# Altium PCB roach2.PcbDoc (part 39 of 39)
Units mil, origin at the board's own origin, x right, y up, seen from the top; angles counter-clockwise.
Board outline 12007.87 x 9606.3 mil, 16 copper layers (L1_TOP, L2_G, L3_S, L4_G, L5_S, L6_P, L7_G, L8_R, L9_R, L10_P, L11_P, L12_S, L13_P, L14_S, L15_G, L16_BOT), stack 81.651 mil thick; 1608 components, 1934 nets, 9335 pads, 6759 vias.
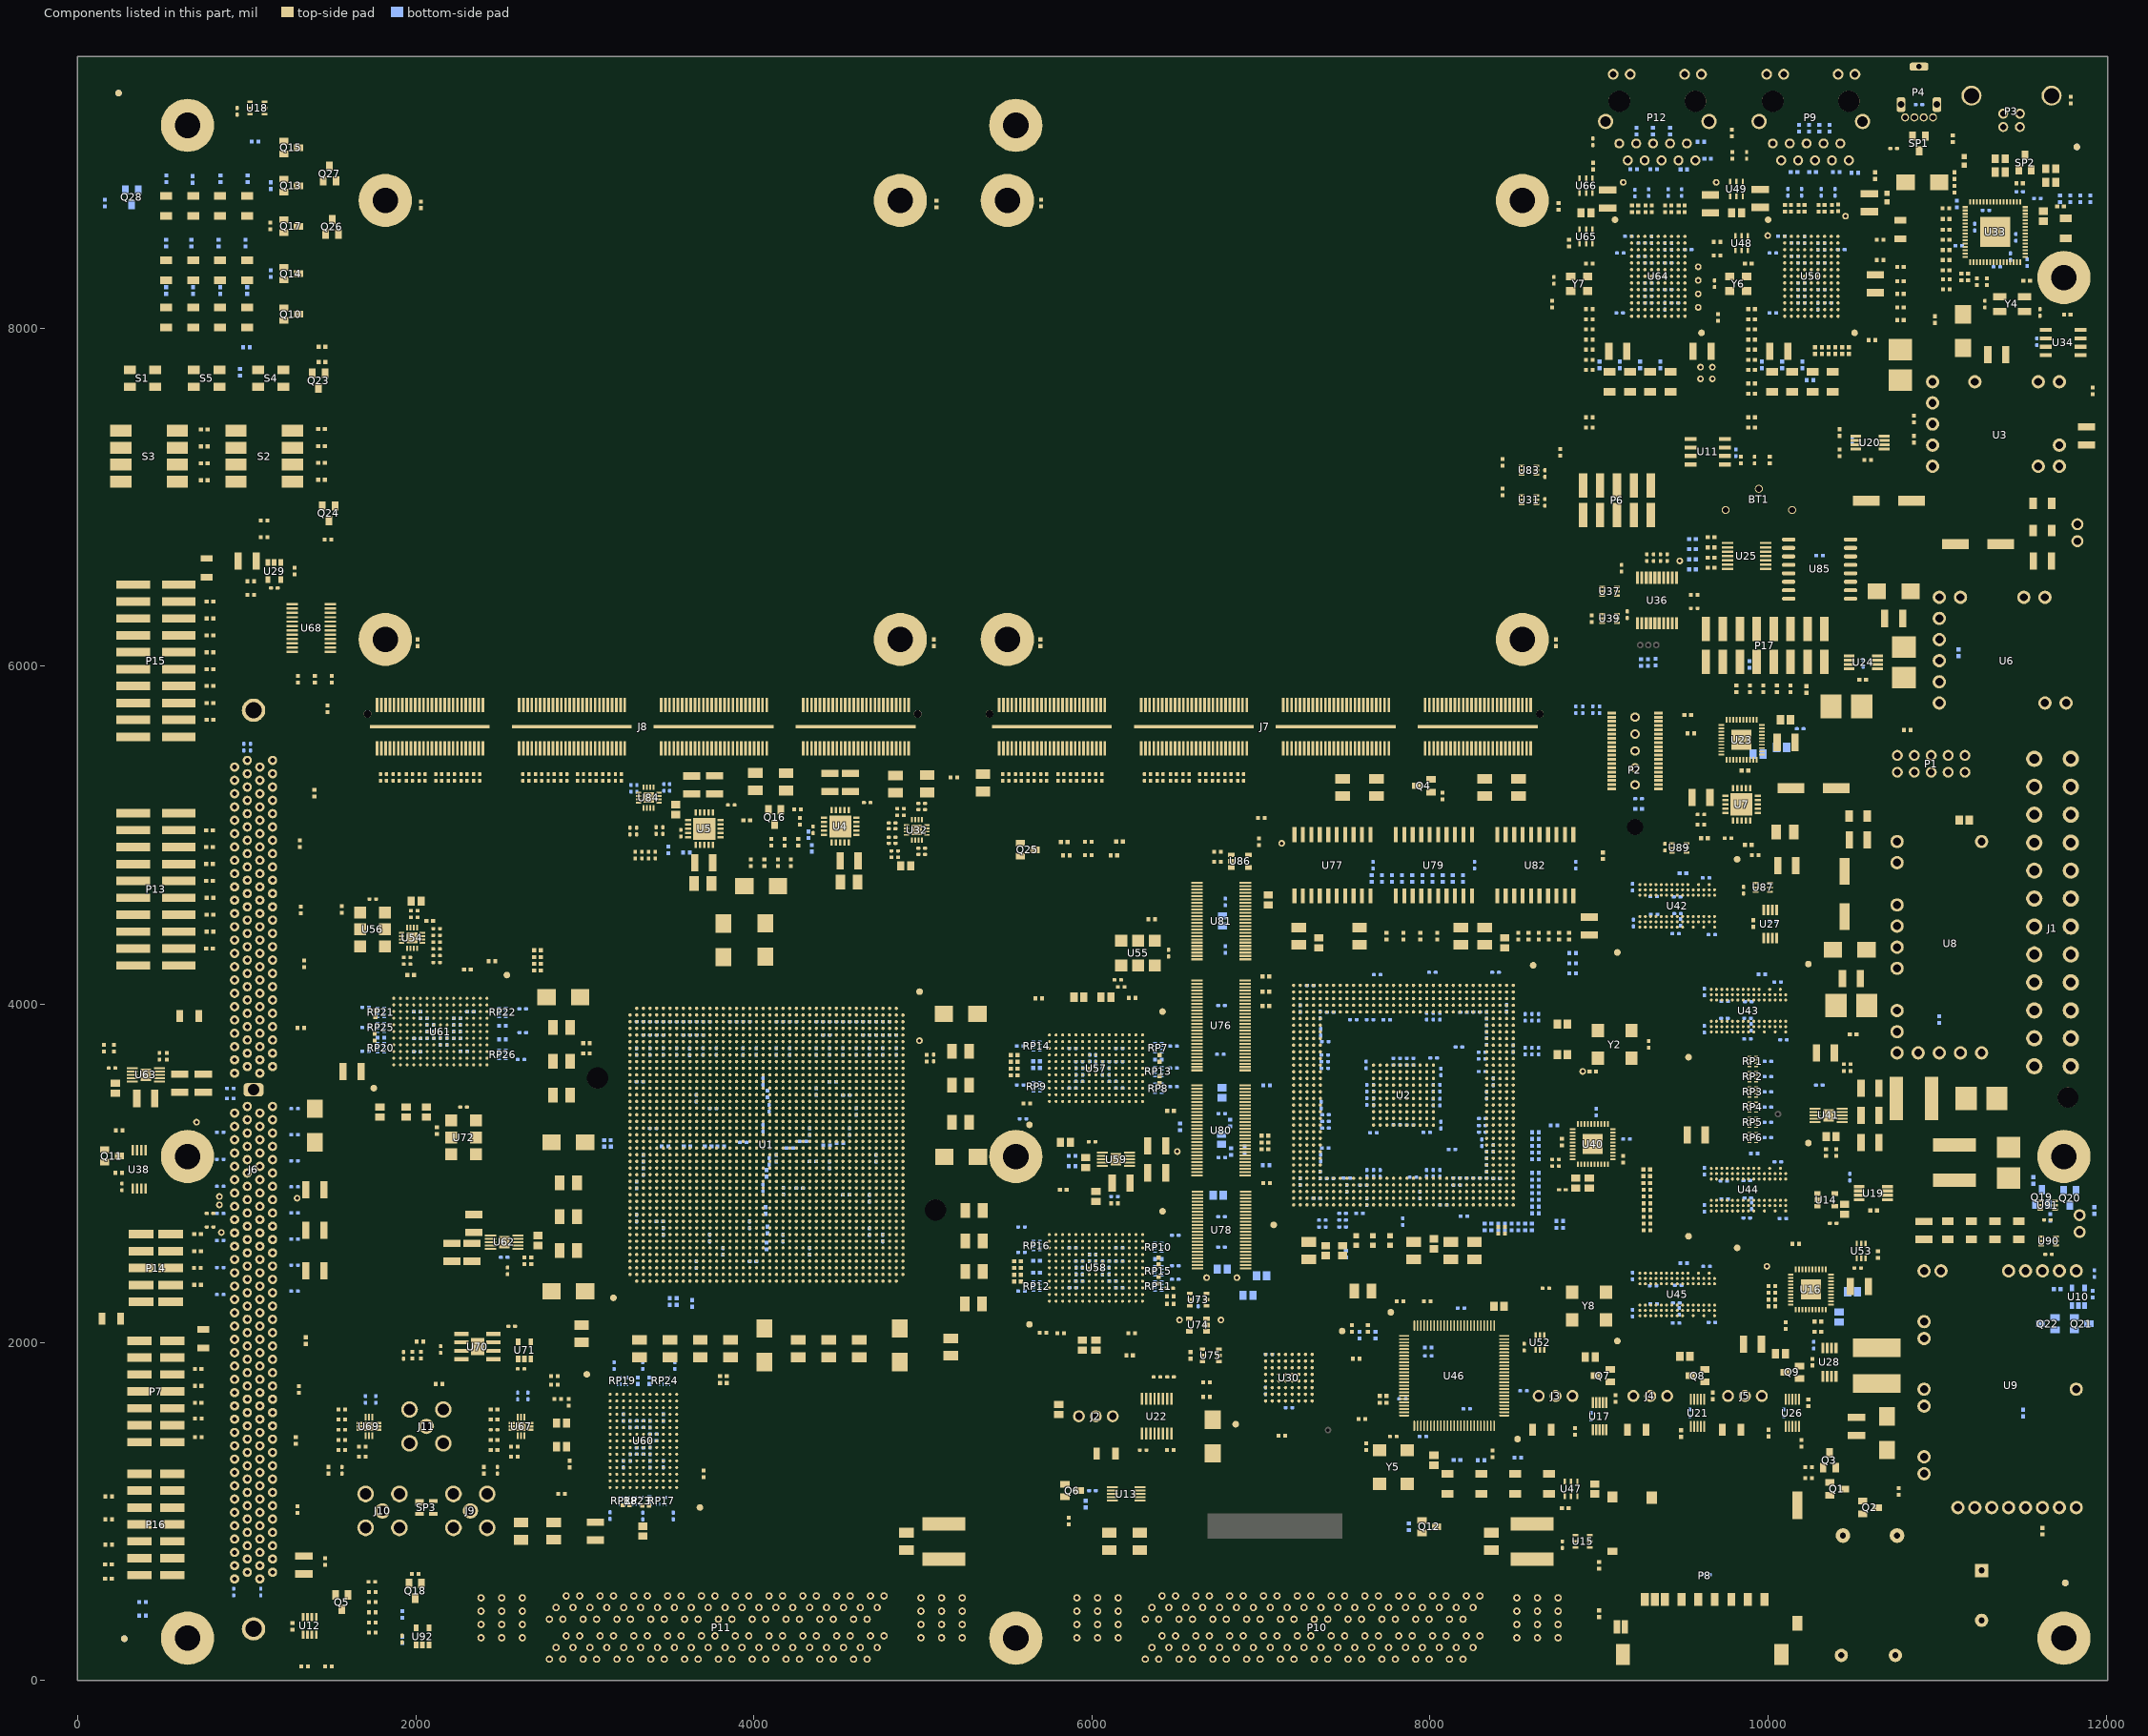
[diagram p53: the components of this part, seen from the top]

## Via types
v1: diameter 19.4, hole 10, L1_TOP to L16_BOT, tented both sides, 3354 vias
v2: diameter 19.4, hole 10, L1_TOP to L16_BOT, 1884 vias
v3: diameter 19.4, hole 10, L1_TOP to L16_BOT, tented top, 410 vias
v4: diameter 18.6, hole 10, L1_TOP to L16_BOT, tented both sides, 311 vias
v5: diameter 59.06, hole 39.37, L1_TOP to L16_BOT, 217 vias
v6: diameter 19, hole 10, L1_TOP to L16_BOT, 198 vias
v7: diameter 19.4, hole 10.04, L1_TOP to L16_BOT, 125 vias
v8: diameter 19.4, hole 10, L1_TOP to L16_BOT, tented bottom, 80 vias
v9: diameter 25.98, hole 12.99, L1_TOP to L16_BOT, tented top, 59 vias
v10: diameter 20, hole 10, L1_TOP to L16_BOT, 52 vias
v11: diameter 59.06, hole 39.37, L1_TOP to L16_BOT, tented top, 44 vias
v12: diameter 20, hole 10, L1_TOP to L16_BOT, tented top, 16 vias
v13: diameter 19, hole 10, L1_TOP to L16_BOT, tented top, 5 vias
v14: diameter 50, hole 28, L1_TOP to L16_BOT, 4 vias

## Nets (pads, with @x,y where several pads share a name; then routed paths per layer and width w, separated by ;. In a path a pad name is that pad's centre, name@x,y a point inside that pad or via, vN(x,y) a via of type N, cw(c..) or ccw(c..) an arc to the next point about the centre after c; other vN are vias at no path point) (continued)
pads on no net: FU1.1 FU1.2 FU2.1 FU2.2 FU3.1 FU3.2 FU4.1 FU4.2 H10.1 H11.1 J1.20 J1.25 J6.126 J6.135 J6.144 J6.153 J6.162 J6.167 J6.204 J6.213 J6.222 J6.231 J6.M0 J6.M1 J6.M2 J7.C23 J7.C24 J7.D18 J7.D19 J7.D20 J7.D21 J7.D22 J7.M1 J7.M2 J8.C23 J8.C24 J8.D18 J8.D19 J8.D20 J8.D21 J8.D22 J8.M1 J8.M2 P2.M0 P6.1 P9.15 P9.16 P12.15 P12.16 P16.7 P16.10 P17.2 P17.5 P17.8 P17.10 P17.12 P17.13 P17.14 P17.15 RP1.1 S1.3 S1.4 S4.3 S4.4 S5.3 S5.4 U1.A5 U1.A6 U1.A9 U1.A10 U1.AF7 U1.AF8 U1.AH24 U1.AJ25 U1.AK28 U1.AL20 U1.AL34 U1.AM26 U1.AM33 U1.AN28 U1.AN35 U1.AR34 U1.AR40 U1.AT15 U1.AT40 U1.AU9 U1.AU10 U1.AU16 U1.AU38 U1.AU42 U1.AW17 U1.AW32 U1.AW42 U1.B3 U1.B4 U1.B7 U1.B8 U1.BA30 U1.BB32 U1.C1 U1.C2 U1.C5 U1.C6 U1.D3 U1.D4 U1.FU1 U1.FU2 U1.M7 U1.M8 U1.T7 U1.T8 U1.V7 U1.V8 U2.A5 U2.A26 U2.A30 U2.A31 U2.AA31 U2.AA33 U2.AA34 U2.AB34 U2.AG1 U2.AH1 U2.AK32 U2.AL23 U2.AL26 U2.AM23 U2.AM24 U2.AM26 U2.AM29 U2.AM30 U2.AN26 U2.AP26 U2.AP30 U2.AP31 U2.B6 U2.B29 U2.C7 U2.C8 U2.C26 U2.C30 U2.D6 U2.D7 U2.D26 U2.D29 U2.D34 U2.E34 U2.F31 U2.F32 U2.F33 U2.F34 U2.FU1 U2.FU2 U2.G31 U2.G32 U2.G33 U2.G34 U2.H31 U2.H32 U2.H34 U2.J31 U2.J32 U2.J33 U2.K32 U2.K33 U2.L31 U2.L32 U2.L33 U2.L34 U2.M31 U2.M32 U2.M34 U2.N31 U2.N32 U2.N33 U2.N34 U2.P1 U2.P3 U2.P31 U2.P32 U2.P33 U2.P34 U2.R2 U2.R3 U2.R4 U2.R31 U2.R32 U2.R33 U2.R34 U2.T31 U2.Y31 U2.Y32 U2.Y33 U2.Y34 U3.0 U3.11 U4.2 U4.3 U4.4 U4.13 U4.14 U4.17 U5.2 U5.3 U5.4 U5.13 U5.14 U5.17 U6.0 U6.11 U7.2 U7.3 U7.4 U7.13 U7.14 U7.17 U8.0 U9.0 U9.2 U9.3 U9.5 U9.21 U10.3 U12.3 U15.1 U16.21 U16.22 U16.23 U16.24 U16.25 U16.26 U16.27 U16.28 U16.30 U16.38 U16.39 U21.5 U22.5 U22.6 U22.7 U22.8 U23.8 U23.18 U23.19 U23.20 U23.21 U23.22 U23.23 U23.24 U23.25 U23.26 U23.27 U23.28 U23.30 U23.37 U23.38 U23.39 U25.3 U25.8 U25.11 U30.A1 U30.A8 U30.C1 U30.D1 U30.E1 U30.FU1 U30.FU2 U30.G1 U30.H1 U30.H8 U31.3 U32.10 U32.11 U33.22 U33.23 U33.24 U33.36 U33.40 U33.41 U33.43 U33.44 U33.45 U33.46 U33.48 U33.52 U33.59 U33.65 U34.6 U34.7 U40.2 U40.3 U40.11 U40.12 U40.13 U40.14 U40.32 U40.33 U40.34 U40.35 U40.37 U40.38 U42.A2 U42.A8 U42.E2 U42.E8 U42.FU1 U42.FU2 U42.R3 U42.R7 U43.A2 U43.A8 U43.E2 U43.E8 U43.FU1 U43.FU2 U43.R3 U43.R7 U44.A2 U44.A8 U44.E2 U44.E8 U44.FU1 U44.FU2 U44.R3 U44.R7 U45.A2 U45.A8 U45.E2 U45.E8 U45.FU1 U45.FU2 U45.R3 U45.R7 U46.18 U46.19 U46.24 U46.27 U46.28 U46.29 U46.30 U46.33 U46.34 U46.44 U46.49 U46.55 U46.56 U46.60 U46.63 U46.76 U46.77 U46.79 U46.80 U46.82 U46.85 U46.86 U46.87 U46.89 U46.94 U46.FU1 U46.FU2 U50.A1 U50.A2 U50.A3 U50.A4 U50.A5 U50.A6 U50.A7 U50.A8 U50.B5 U50.B6 U50.C4 U50.C5 U50.D1 U50.D2 U50.F2 U50.FU1 U50.FU2 U50.G1 U50.H1 U50.H3 U50.J1 U50.J2 U50.J9 U50.K7 U50.M9 U54.10 U54.11 U55.2 U56.2 U57.C6 U57.FU1 U57.FU2 U58.C6 U58.FU1 U58.FU2 U60.C6 U60.FU1 U60.FU2 U61.C6 U61.FU1 U61.FU2 U64.A1 U64.A2 U64.A5 U64.A6 U64.B1 U64.B5 U64.B6 U64.C1 U64.C4 U64.C5 U64.D1 U64.D2 U64.E1 U64.E2 U64.F1 U64.F2 U64.FU1 U64.FU2 U64.G1 U64.G2 U64.G3 U64.H1 U64.H2 U64.H3 U64.J1 U64.J2 U64.J9 U64.K2 U64.K7 U64.L1 U64.M9 U70.1 U70.5 U70.8 U72.1 U72.2 U74.1 U80.21 U80.23 U80.24 U80.26 U80.27 U83.3 U84.10 U84.11 U85.3 U85.4 U85.5 U85.6 U85.7 U85.8 U85.9 U85.10 U85.11 U85.12 U85.15 U85.16 U87.3 U89.3 U90.3 U92.3 Y2.1 Y5.1 Y6.1
copper on no net: | length 2418.4
  L1_TOP w5: v1(3286.5,2813.42) 3306.19,2833.11 ; v2(3384.93,2281.93) 3384.93,2360.67 ; v2(3463.67,2281.93) 3463.67,2360.67 ; v1(3483.35,2419.72) 3503.04,2439.41 ; v1(3522.72,2419.72) 3542.41,2439.41 ; v1(3522.72,2655.94) 3542.41,2675.63 ; v1(3601.46,2892.16) 3621.15,2911.85 ; v1(3640.83,2695.31) 3660.52,2715 ; v1(3640.83,2970.9) 3660.52,2990.59 ; v1(3680.2,2655.94) 3699.89,2675.63 ; v1(3680.2,3246.5) 3699.57,3227.13 3699.89,3226.81 ; v3(3701.28,5707.7) 3701.28,5770.49 ; v1(3719.57,2892.16) 3739.26,2911.85 ; v3(3726.28,5707.7) 3726.28,5770.49 ; v1(6569.83,3027.63) 6637.77,3027.63 ; v1(6569.83,3067) 6637.77,3067 ; 6603.89,3007.94 v1(6671.83,3007.94) ; 6603.89,3086.68 v1(6671.83,3086.68) ; 6603.89,3126.05 v1(6671.83,3126.05) ; v1(7213.07,3935.43) 7232.76,3915.75 ; v3(7381.28,5707.7) 7381.28,5770.49 ; v3(7406.28,5707.7) 7406.28,5770.49 ; v1(9173.23,8405.51) 9192.91,8385.83 ; v1(9251.97,8444.88) 9271.65,8425.2 ; v1(9291.34,8051.18) 9311.02,8070.87 ; v1(9291.34,8090.55) 9311.02,8110.24 ; v1(9330.71,8051.18) 9350.39,8070.87 ; v1(9330.71,8090.55) 9350.39,8110.24 ; v1(9330.71,8129.92) 9350.39,8149.61 ; 9389.76,8149.61 v1(9409.45,8129.92) ; 9429.13,8307.09 v1(9448.82,8326.77) ; 9429.13,8346.46 v1(9448.82,8366.14) ; 9468.5,8070.87 v1(9488.19,8051.18) ; 9468.5,8188.98 v1(9488.19,8169.29) ; 9468.5,8228.35 v1(9488.19,8208.66) ; 9468.5,8267.72 v1(9488.19,8248.03) ; 9468.5,8307.09 v1(9488.19,8326.77) ; 9468.5,8346.46 v1(9488.19,8366.14) ; 9468.5,8385.83 v1(9488.19,8405.51) ; 9468.5,8425.2 v1(9488.19,8444.88) ; 9507.87,8070.87 v1(9527.56,8051.18) ; 9507.87,8110.24 v1(9527.56,8090.55) ; 9507.87,8149.61 v1(9527.56,8129.92) ; 9507.87,8188.98 v1(9527.56,8169.29) ; 9507.87,8228.35 v1(9527.56,8208.66) ; 9507.87,8267.72 v1(9527.56,8248.03) ; 9507.87,8307.09 v1(9527.56,8326.77) ; 9507.87,8346.46 v1(9527.56,8366.14) ; 9507.87,8385.83 v1(9527.56,8405.51) ; 9507.87,8464.57 v1(9527.56,8484.25) ; v1(10118.11,8051.18) 10137.8,8070.87 ; v1(10157.48,8051.18) 10177.17,8070.87 ; v1(10196.85,8051.18) 10216.54,8070.87 ; v1(10196.85,8090.55) 10216.54,8110.24 ; v1(10236.22,8051.18) 10255.91,8070.87 ; v1(10236.22,8090.55) 10255.91,8110.24 ; v1(10236.22,8129.92) 10255.91,8149.61 ; 10295.28,8070.87 v1(10314.96,8051.18) ; 10295.28,8149.61 v1(10314.96,8129.92) ; 10334.65,8070.87 v1(10354.33,8051.18) ; 10334.65,8346.46 v1(10354.33,8366.14) ; 10374.02,8070.87 v1(10393.7,8051.18) ; 10374.02,8188.98 v1(10393.7,8169.29) ; 10374.02,8267.72 v1(10393.7,8248.03) ; 10374.02,8385.83 v1(10393.7,8405.51) ; 10413.39,8070.87 v1(10433.07,8051.18) ; 10413.39,8188.98 v1(10433.07,8169.29) ; 10413.39,8307.09 v1(10433.07,8326.77) ; 10413.39,8346.46 v1(10433.07,8366.14) ; 10413.39,8385.83 v1(10433.07,8405.51) ; 11521.14,8618.2 v3(11548.64,8618.2)
  other v9: 11272.13,8498.13 11319.37,8498.13 11366.61,8498.13 11413.86,8498.13 11272.13,8545.37 11319.37,8545.37 11366.61,8545.37 11413.86,8545.37 11272.13,8592.61 11319.37,8592.61 11366.61,8592.61 11413.86,8592.61 11272.13,8639.86 11319.37,8639.86 11366.61,8639.86 11413.86,8639.86

## Polygon pours and split planes (outlines as drawn)
GND on L1_TOP "PPC_USB_CLK" (solid, pour order 54): 8784,2359 9096,2359 9096,2068 8784,2068
12V on L1_TOP "12V_t" (solid, remove dead copper, pour order 64): 10452.99,5862.99 10452.76,5421.26 10523.62,5295.28 10523.62,5055.12 10338.58,5055.12 10338.58,5181.1 10275.59,5275.59 10275.59,5862.2 10302.99,5862.99
GND on L1_TOP "GND_U55" (solid, remove dead copper, pour order 59): 6116.99,4422.99 6428.99,4422.99 6428.99,4182.99 6116.99,4182.99
QDR01_VTT on L1_TOP "VTT_QDR01" (solid, remove dead copper, pour order 58): 6289.37,3228.35 6368.11,3228.35 6368.11,2933.07 6289.37,2933.07
GND on L1_TOP "GND_USBXTAL" (solid, remove dead copper, pour order 51): 11582.99,8222 11582.99,8052.99 11314,8052.99 11314,8222
1V5MON on L1_TOP "1v5MON" (solid, remove dead copper, pour order 84): 10642.99,4522.99 10822.99,4522.99 10822.99,3782.99 10612.99,3782.99 10502.99,3892.99 10502.99,4382.99
NetC26_1 on L1_TOP "NetC26_1" (solid, remove dead copper, pour order 83): 10552.99,5172.99 10552.99,4662.99 10392.99,4662.99 10392.99,4422.99 10502.99,4422.99 10822.99,4742.99 10822.99,5172.99
1V8MON on L1_TOP "1V8MON" (solid, remove dead copper, pour order 82): 10742.99,6512.99 10742.99,6212.99 10702.99,6212.99 10702.99,6072.99 10902.99,6072.99 10902.99,6342.99 11072.99,6342.99 11072.99,6512.99
2V5 on L1_TOP "2V5" (solid, remove dead copper, pour order 80): 10692.99,7772.99 10972.99,7772.99 11042.99,7702.99 11042.99,7612.99 10912.99,7612.99 10862.99,7532.99 10692.99,7532.99
2V5MON on L1_TOP "2v5MON" (solid, remove dead copper, pour order 77): 10692.99,7792.99 10692.99,7962.99 11272.99,7962.99 11342.99,7892.99 11342.99,7612.99 11162.99,7612.99 10982.99,7792.99
NetC1_1 on L1_TOP "C1_1" (solid, remove dead copper, pour order 73): 11601.63,6912.99 10732.99,6912.99 10732.99,7102.99 11142.99,7102.99 11342.99,7212.99 11621.15,7372.99 11952.99,7372.99 11952.99,7282.99 11689.47,7012.99 11601.63,7012.99
NetC17_1 on L1_TOP "C17_1" (solid, remove dead copper, pour order 69): 11622.99,6862.99 11622.99,6552.99 11712.99,6462.99 11712.99,6302.99 11252.99,6302.99 11252.99,6862.99
12VMON on L1_TOP "12V_MON_t" (solid, remove dead copper, pour order 57): 10472.99,5862.99 10472.99,5662.99 10712.99,5662.99 10712.99,5862.99
3V3 on L1_TOP "3V_O" (solid, remove dead copper, pour order 50): 10902.99,3592.99 10902.99,3292.99 11252.99,3292.99 11252.99,3592.99
1V0 on L1_TOP "1V0_PS" (solid, remove dead copper, pour order 49): 10442.99,2222.99 10442.99,1889.76 10852.99,1889.76 10852.99,2222.99
1V0MON on L1_TOP "1V0_MON_PS" (solid, remove dead copper, pour order 56): 10452.76,1830.71 10452.76,1496.06 10984.25,1496.06 10984.25,1830.71
NetC32_1 on L1_TOP "1V0_MON_PS" (solid, remove dead copper, pour order 63): 10852.99,2642.99 11532.99,2642.99 11532.99,582.99 11062.99,582.99 11062.99,2162.99 11012.99,2162.99 10812.99,2362.99 10812.99,2642.99
5V on L1_TOP "5V_PS" (solid, remove dead copper, pour order 68): 11529,3051.18 10944.88,3051.18 10944.88,2834.65 11001.41,2834.65 11001.41,2677.17 11529,2677.17
GND on L1_TOP "MISC_CLK_GND" (solid, pour order 48): 1620,4280 1620,4600 1870,4600 1870,4280
GND on L1_TOP "SYS_CLK_GND" (solid, pour order 55): 2160,3370 2410,3370 2410,3060 2160,3060
GND on L1_TOP "CPLD_CLK_GND" (solid, pour order 62): 7650,1420 7650,1100 7920,1100 7920,1420
GND on L1_TOP "PPC_CLK_GND" (solid, pour order 67): 8930,3900 9250,3900 9250,3630 8930,3630
GND on L1_TOP "PPCNET_CLK_GND" (solid, pour order 76): 9710,8350 9930,8350 9930,8180 9710,8180
GND on L1_TOP "v6NET_CLK_GND" (solid, pour order 79): 8780,8350 8980,8350 8980,8180 8780,8180
DDR2_VTT on L1_TOP "DDR2_VTT" (solid, remove dead copper, pour order 47): 10511.81,3267.72 10590.55,3267.72 10590.55,3582.68 10000,3582.68 10000,3720.47 9946.85,3720.47 9946.85,3169.29 10000,3169.29 9998.99,3425.2 10511.81,3425.2
5V on L3_S "5V_USB" (solid, remove dead copper, pour order 72): 11342.99,2752.99 11522.99,2752.99 11522.99,7872.99 10872.99,8522.99 10792.99,8522.99 10792.99,8332.99 11342.99,7782.99
QDR23_VTT on L16_BOT "VTT_QDR23" (solid, remove dead copper, pour order 71): 1948.82,3444.88 1948.82,2500 2263.78,2500 2933.07,1811.02 2933.07,984.25 3557.09,984.25 3557.09,1019.68 3031.5,1019.68 3031.5,1816.93 3564.96,1816.93 3564.96,1850.39 3129.92,1850.39 2303.15,2677.17 2086.61,2677.17 2086.61,3444.88 2618.11,3444.88 2618.11,4015.75 2553.15,4015.75 2553.15,3543.31 1753.94,3543.31 1753.94,4015.75 1712.6,4015.75 1712.6,3444.88
QDR01_VTT on L16_BOT "VTT_QDR1" (solid, remove dead copper, pour order 66): 6269.68,3090.55 6269.68,2937.99 6269.68,2785.43 5594.49,2785.43 5594.49,2273.62 5633.86,2273.62 5633.86,2687.01 6435.04,2687.01 6435.04,2283.46 6482.28,2283.46 6482.28,3064.96 6476.38,3093.16
QDR01_VTT on L16_BOT "VTT_QDR0" (solid, remove dead copper, pour order 61): 6430.36,3784.67 6428.36,3354.47 5631.89,3354.33 5631.89,3809.06 5586.61,3809.06 5586.61,3295.28 5646.03,3237.14 6266.29,3237.14 6266.29,3080.71 6476.38,3080.71 6476.38,3784.67
5V on L16_BOT "5V_SMA" (solid, remove dead copper, pour order 85): 2736.22,1750.58 2736.22,629.92 1512.99,629.92 1515.75,2204.72 2381.89,2204.72
5VAUX on L16_BOT "5VAUX_GPIO" (solid, remove dead copper, pour order 53): 9625.98,5092.52 9625.98,6692.91 791.34,6692.91 791.34,6602.36 9433.07,6614.17 9433.07,5090.55
5VAUX on L16_BOT "5VAUX_PS" (solid, remove dead copper, pour order 46): 11388.99,5530 11388.99,5092.99 9612.99,5092.99 9612,5404 10276,5404 10276,5530
12VMON on L5_S "12V_MON" (solid, remove dead copper, pour order 86): 11462.99,5032.99 11922.99,5032.99 11912.99,5042.99 11912.99,5912.99 10622.99,5912.99 10622.99,5562.99 11462.99,5562.99
12V on L14_S "12V" (solid, remove dead copper, pour order 88): 10692.99,92.99 11162.99,92.99 11412.99,312.99 11912.99,812.99 11912.99,6172.99 11462.99,6172.99 11452.99,6162.99 11452.99,1152.99 11192.99,862.99 10692.99,362.99
12V on L14_S "12V_L5" (solid, remove dead copper, pour order 87): 10282.99,5582.99 10372.99,5582.99 10452.99,5583.06 10452.99,5854.88 10612.99,6015.97 10752.99,6156.91 11912.99,6156.91 11912.99,7062.99 11612.99,7062.99 11612.99,6509.28 11602.99,6499.21 10692.99,6499.21 10282.99,6086.44
3V3AUX on L14_S "3VAUX_0" (solid, remove dead copper, pour order 60): 11027.99,9042.99 11787.99,9042.99 11787.99,8817.99 11792.99,8812.99 11557.99,8812.99 11557.99,7922.99 11558,7914 11432.99,7787.99 10772.99,7787.99 10772.99,7767.99 10387.99,7382.99 10387.99,6242.99 10212.99,6067.99 10212.99,4842.99 9912.99,4842.99 9387.99,5367.99 9387.99,7172.99
3V3AUX on L12_S "3VAUX_2" (solid, remove dead copper, pour order 65): 10012.99,4862.99 10012.99,5037.99 11962.99,5037.99 11962.99,22.99 37.99,17.99 37.99,102.99 11887.99,102.99 11887.99,4862.99
3V3_PPC on L8_R "3V3_PPC" (solid, remove dead copper, pour order 70): 7852.99,4297.99 7132.99,4297.99 7132.99,2632.99 7807.99,2632.99 7807.99,3532.99 7852.99,3532.99
2V5_PPC on L8_R "2V5_PPC" (solid, remove dead copper, pour order 75): 8542.99,4297.99 7857.99,4297.99 7857.99,3532.99 8542.99,3532.99
1V8_PPC on L8_R "1V8_PPC" (solid, remove dead copper, pour order 78): 7812.99,2632.99 8542.99,2632.99 8542.99,3522.99 7812.99,3522.99
MGT_1V2 on L8_R "MGT_1V2" (solid, remove dead copper, pour order 52): 3267.72,4318.99 4881.89,4318.99 4881.89,3700.79 3267.72,3700.79
5V on L8_R "5V_ZDOK" (solid, remove dead copper, pour order 74): 8582.99,522.99 8702.99,522.99 8702.99,32.99 5062.99,32.99 5062.99,522.99 5182.99,522.99 5182.99,127.99 8582.99,127.99
1V5_PPC on L9_R "1V5_PPC" (solid, remove dead copper, pour order 81): 8542.99,2632.99 7132.99,2632.99 7132.99,4297.99 8542.99,4297.99
MGT_1V0 on L9_R "MGT_1V0" (solid, remove dead copper, pour order 45): 4881.89,3700.79 3267.72,3700.79 3267.72,4316.99 4881.89,4316.99
GND on L2_G (split plane): 11328.61,1072.81 11334.15,1071.87 11339.55,1070.31 11344.74,1068.16 11349.66,1065.44 11354.25,1062.19 11358.44,1058.44 11362.19,1054.25 11365.44,1049.66 11368.16,1044.74 11370.31,1039.55 11371.87,1034.15 11372.81,1028.61 11373.13,1022.99 11372.81,1017.38 11371.87,1011.84 11370.31,1006.43 11368.16,1001.24 11365.44,996.32 11362.19,991.73 11358.44,987.54 11354.25,983.8 11349.66,980.54 11344.74,977.82 11339.55,975.67 11334.15,974.12 11328.61,973.17 11322.99,972.86 11317.38,973.17 11311.84,974.12 11306.43,975.67 11301.24,977.82 11296.32,980.54 11291.73,983.8 11287.54,987.54 11283.8,991.73 11280.54,996.32 11277.82,1001.24 11275.67,1006.43 11274.12,1011.84 11273.17,1017.38 11272.86,1022.99 11273.17,1028.61 11274.12,1034.15 11275.67,1039.55 11277.82,1044.74 11280.54,1049.66 11283.8,1054.25 11287.54,1058.44 11291.73,1062.19 11296.32,1065.44 11301.24,1068.16 11306.43,1070.31 11311.84,1071.87 11317.38,1072.81 11322.99,1073.13
GND on L2_G (split plane): 11987.78,20.1 20.1,20.1 20.1,9586.2 11987.78,9586.2
GND on L4_G (split plane): 11328.59,1072.67 11334.12,1071.73 11339.5,1070.18 11344.68,1068.04 11349.59,1065.32 11354.16,1062.08 11358.34,1058.34 11362.08,1054.16 11365.32,1049.59 11368.04,1044.68 11370.18,1039.5 11371.73,1034.12 11372.67,1028.59 11372.99,1022.99 11372.67,1017.39 11371.73,1011.87 11370.18,1006.48 11368.04,1001.3 11365.32,996.39 11362.08,991.82 11358.34,987.64 11354.16,983.9 11349.59,980.66 11344.68,977.95 11339.5,975.8 11334.12,974.25 11328.59,973.31 11322.99,973 11317.39,973.31 11311.87,974.25 11306.48,975.8 11301.3,977.95 11296.39,980.66 11291.82,983.9 11287.64,987.64 11283.9,991.82 11280.66,996.39 11277.95,1001.3 11275.8,1006.48 11274.25,1011.87 11273.31,1017.39 11273,1022.99 11273.31,1028.59 11274.25,1034.12 11275.8,1039.5 11277.95,1044.68 11280.66,1049.59 11283.9,1054.16 11287.64,1058.34 11291.82,1062.08 11296.39,1065.32 11301.3,1068.04 11306.48,1070.18 11311.87,1071.73 11317.39,1072.67 11322.99,1072.99
GND on L4_G (split plane): 11987.78,20.1 20.1,20.1 20.1,9586.2 11987.78,9586.2
3V3 on L6_P (split plane): 11987.78,20.1 8379.1,20.1 8379.1,585.45 11023.62,585.45 11025.57,585.84 11027.23,586.95 11028.33,588.6 11028.72,590.55 11028.72,3577.58 11987.78,3577.58
1V0 on L6_P (split plane): 11987.78,3587.78 11023.62,3587.78 11021.67,3587.39 11020.02,3586.28 11018.91,3584.63 11018.52,3582.68 11018.52,595.65 8374,595.65 8372.05,595.26 8370.4,594.16 8369.29,592.5 8368.9,590.55 8368.9,20.1 20.1,20.1 20.1,9586.2 11987.78,9586.2
GND on L7_G (split plane): 11328.6,1072.75 11334.13,1071.8 11339.53,1070.25 11344.72,1068.1 11349.63,1065.39 11354.21,1062.14 11358.4,1058.4 11362.14,1054.21 11365.39,1049.63 11368.1,1044.72 11370.25,1039.53 11371.8,1034.13 11372.75,1028.6 11373.06,1022.99 11372.75,1017.39 11371.8,1011.85 11370.25,1006.46 11368.1,1001.27 11365.39,996.35 11362.14,991.78 11358.4,987.59 11354.21,983.85 11349.63,980.6 11344.72,977.88 11339.53,975.73 11334.13,974.18 11328.6,973.24 11322.99,972.92 11317.39,973.24 11311.85,974.18 11306.46,975.73 11301.27,977.88 11296.35,980.6 11291.78,983.85 11287.59,987.59 11283.85,991.78 11280.6,996.35 11277.88,1001.27 11275.73,1006.46 11274.18,1011.85 11273.24,1017.39 11272.92,1022.99 11273.24,1028.6 11274.18,1034.13 11275.73,1039.53 11277.88,1044.72 11280.6,1049.63 11283.85,1054.21 11287.59,1058.4 11291.78,1062.14 11296.35,1065.39 11301.27,1068.1 11306.46,1070.25 11311.85,1071.8 11317.39,1072.75 11322.99,1073.06
GND on L7_G (split plane): 11987.78,20.1 20.1,20.1 20.1,9586.2 11987.78,9586.2
5V on L10_P (split plane): 11987.78,20.1 8587.78,20.1 8587.78,585.45 10826.77,585.45 10828.72,585.84 10830.38,586.95 10831.48,588.6 10831.87,590.55 10831.87,3070.87 10831.48,3072.82 10830.38,3074.47 10828.72,3075.58 10826.77,3075.96 10674.39,3075.96 10674.39,5196.85 10674.39,5585.45 11987.78,5585.45
1V5 on L10_P (split plane): 11987.78,5595.65 10669.29,5595.65 10667.34,5595.26 10665.69,5594.16 10664.58,5592.5 10664.19,5590.55 10664.19,5196.85 10664.19,3070.87 10664.58,3068.92 10665.69,3067.26 10667.34,3066.16 10669.29,3065.77 10821.67,3065.77 10821.67,595.65 8582.68,595.65 8580.73,595.26 8579.07,594.16 8577.97,592.5 8577.58,590.55 8577.58,20.1 20.1,20.1 20.1,9586.2 11987.78,9586.2
3V3 on L11_P (split plane): 11987.78,3312.18 10949.98,3312.18 10949.98,6023.62 10949.59,6025.57 10948.49,6027.23 10946.83,6028.33 10944.88,6028.72 8779.53,6028.72 8777.58,6028.33 8775.92,6027.23 8774.82,6025.57 8774.43,6023.62 8774.43,4805.26 8738.05,4768.88 7716.54,4768.88 7714.59,4768.49 7712.93,4767.38 7711.83,4765.73 7711.44,4763.78 7711.44,2598.43 7711.83,2596.48 7712.93,2594.82 8027.89,2279.86 8029.55,2278.75 8031.5,2278.37 8498.84,2278.37 8498.84,2165.35 8498.84,1579.9 6970.62,1579.9 6475.1,2075.42 6475.1,2214 6475.1,5190 6474.71,5191.95 6473.6,5193.6 6471.95,5194.71 6470,5195.1 3390.92,5195.1 3390.92,6102.36 3390.54,6104.31 3389.43,6105.97 3387.78,6107.07 3385.83,6107.46 20.1,6107.46 20.1,9586.2 11987.78,9586.2
1V8 on L11_P (split plane): 3380.73,5190 3381.12,5188.05 3382.22,5186.4 3383.88,5185.29 3385.83,5184.9 6464.9,5184.9 6464.9,2214 6464.9,2073.31 6465.29,2071.36 6466.4,2069.7 6964.9,1571.2 6966.55,1570.09 6968.5,1569.71 8503.94,1569.71 8505.89,1570.09 8507.54,1571.2 8508.65,1572.85 8509.03,1574.8 8509.03,2165.35 8509.03,2283.46 8508.65,2285.41 8507.54,2287.07 8505.89,2288.17 8503.94,2288.56 8033.61,2288.56 7721.63,2600.54 7721.63,4758.68 8740.16,4758.68 8742.11,4759.07 8743.76,4760.18 8783.13,4799.55 8784.24,4801.2 8784.63,4803.15 8784.63,6018.52 10939.78,6018.52 10939.78,3307.09 10940.17,3305.14 10941.28,3303.48 10942.93,3302.38 10944.88,3301.99 11987.78,3301.99 11987.78,20.1 20.1,20.1 20.1,6097.26 3380.73,6097.26
2V5 on L13_P (split plane): 11987.78,20.1 20.1,20.1 20.1,9586.2 11987.78,9586.2
GND on L15_G (split plane): 11328.59,1072.67 11334.12,1071.73 11339.5,1070.18 11344.68,1068.04 11349.59,1065.32 11354.16,1062.08 11358.34,1058.34 11362.08,1054.16 11365.32,1049.59 11368.04,1044.68 11370.18,1039.5 11371.73,1034.12 11372.67,1028.59 11372.99,1022.99 11372.67,1017.39 11371.73,1011.87 11370.18,1006.48 11368.04,1001.3 11365.32,996.39 11362.08,991.82 11358.34,987.64 11354.16,983.9 11349.59,980.66 11344.68,977.95 11339.5,975.8 11334.12,974.25 11328.59,973.31 11322.99,973 11317.39,973.31 11311.87,974.25 11306.48,975.8 11301.3,977.95 11296.39,980.66 11291.82,983.9 11287.64,987.64 11283.9,991.82 11280.66,996.39 11277.95,1001.3 11275.8,1006.48 11274.25,1011.87 11273.31,1017.39 11273,1022.99 11273.31,1028.59 11274.25,1034.12 11275.8,1039.5 11277.95,1044.68 11280.66,1049.59 11283.9,1054.16 11287.64,1058.34 11291.82,1062.08 11296.39,1065.32 11301.3,1068.04 11306.48,1070.18 11311.87,1071.73 11317.39,1072.67 11322.99,1072.99
GND on L15_G (split plane): 11987.78,20.1 20.1,20.1 20.1,9586.2 11987.78,9586.2

## Keep-outs
L12_S:
  lines w10: 139.99,6102.99 3385.2,6102.99 3385.83,6102.36 3385.83,5190.99 6470.99,5190.99 6470.99,2072.31 6968.5,1574.8 8503.94,1574.8 8503.94,2283.46 7897.52,2283.46 7716.54,2464.45 7716.54,4462.99 7716.54,4763.78 8740.16,4763.78 8779.53,4803.15 8779.53,6023.62 10932.99,6023.62
Keep-Out Layer:
  lines w10: 0,0 0,9600 12000,9600 12000,0 0,0

## Other copper
L1_TOP:
  rectangle net NetC1_1: 10760,6931 10943,7019
  rectangle net NetC1_1: 11811,7280.98 11945,7353
  rectangle net NetC1_1: 11670,7246 11773,7361
  rectangle net NetC1_1: 11533,6916 11599,7008
  rectangle net NetC17_1: 11588,6346 11695,6461
  rectangle net NetC17_1: 11275,6664 11480,6774
  rectangle net NetC17_1: 11532,6538 11614,6850
  rectangle net NetC26_1: 10409,4428 10497,4619
  rectangle net NetC26_1: 10714,4907 10818.98,5013
  rectangle net NetC26_1: 10554,4900 10636,5162
  rectangle net NetC32_1: 11203,591 11324,707
  rectangle net NetC32_1: 11069,960 11270,1080
  rectangle net NetC32_1: 10862.99,2352 11085,2477.99
  rectangle net NetC32_1: 10844,2573 11526,2643
  rectangle net 1V8MON: 10952.99,6349 11066,6467.99
  rectangle net 1V5MON: 10709,3787 10813,3888
  rectangle net 1V5MON: 10705,4402 10816,4513
  rectangle net 2V5: 10992,7631 11021,7724
  rectangle net 2V5: 10922,7628 11001,7731
  rectangle net 2V5MON: 11155,7626 11283,7737
  rectangle net 2V5MON: 11262,7778.62 11331,7906
  rectangle net 2V5MON: 11085,7811 11230,7953
  rectangle net 2V5: 10700,7612 10872.56,7767
  rectangle net 2V5MON: 10700,7798 10872.56,7950
  rectangle net 1V8MON: 10703,6048 10903,6186
  rectangle net 1V8MON: 10751,6204 10852,6352.44
  rectangle net 1V8MON: 10761,6356 10922,6504
  rectangle net 12VMON: 10479,5678 10635,5850
  rectangle net 12V: 10294.49,5678 10448,5849.45
  rectangle net 12V: 10440,5065 10518,5165
  rectangle net 12V: 10308.49,5223 10495,5325
  rectangle net 1V5MON: 10511,3910 10667,4388
  rectangle net 1V0MON: 10460,1498 10981,1826
  rectangle net 3V3: 10912,3302 11254,3586
  rectangle net 5V: 11007,2682 11527,2755
  rectangle net 5V: 10955,2868 11519,3044
  rectangle net 1V0: 10479,1899 10832,2042
  rectangle net 1V5: 3696.99,5168.99 3811.99,5208.99
  rectangle net 1V5: 4500.99,5182.99 4615.99,5222.99
  rectangle net 3V3MON: 11550,3580 11860,3690
  rectangle net VBAT: 9710,6892 10179,6963
L5_S:
  rectangle net 12VMON: 11490,5056 11667,5355
L12_S:
  rectangle net 3V3AUX: 67.99,8625 130,8655
L4_G (plane layer: these items are gaps in the copper):
  circle w10: c11322.99,1022.99 r55.02
L2_G (plane layer: these items are gaps in the copper):
  circle w10: c11322.99,1022.99 r55.15
L6_P (plane layer: these items are gaps in the copper):
  lines w10: 8374,0 8374,590.55 11023.62,590.55 11023.62,3582.68 12007.87,3582.68
L7_G (plane layer: these items are gaps in the copper):
  circle w10: c11322.99,1022.99 r55.09
L10_P (plane layer: these items are gaps in the copper):
  lines w10: 8582.68,0 8582.68,590.55 10826.77,590.55 10826.77,3070.87 10669.29,3070.87 10669.29,5196.85 10669.29,5590.55 12007.87,5590.55
L11_P (plane layer: these items are gaps in the copper):
  lines w10: 0,6102.36 3385.83,6102.36 3385.83,5190 6470,5190 6470,2214 6470,2073.31 6968.5,1574.8 7637.8,1574.8 8503.94,1574.8 8503.94,2165.35 8503.94,2283.46 8031.5,2283.46 7716.54,2598.43 7716.54,4763.78 8740.16,4763.78 8779.53,4803.15 8779.53,6023.62 9094.49,6023.62 10944.88,6023.62 10944.88,3307.09 12007.87,3307.09
L15_G (plane layer: these items are gaps in the copper):
  circle w10: c11322.99,1022.99 r55.02

## Silkscreen, mask and mechanical layers (free items; w line width, h text height)
Top Overlay:
  lines w3.94: 11012.71,8201.57 11032.43,8201.57 11038,8196 11038,8117 11030,8109 11012.77,8109 ; 11055,8154 11093,8154 11093,8302 11104,8302 ; 11127.56,8338.74 11115.74,8338.74 11109,8332 11109,8269 11115.85,8262.15 11129.46,8262.15 ; 11240,8312 11245,8317 11335,8317 ; 11298,8238 11302,8234 11307,8234 11336,8234
  lines w5: 6980,3470 6980,3310 7010,3310 7030,3290 7030,3260
  lines w6: 6395,2150 6395,2240 6420,2265
  lines w10: 412.99,8034.99 412.99,7922.99 530.99,7922.99 ; 412.99,8354.99 412.99,8472.99 524.99,8472.99 ; 980.99,7922.99 1092.99,7922.99 1092.99,8040.99 ; 980.99,8472.99 1092.99,8472.99 1092.99,8354.99
  text "PPC USB" at 10704,9252 h50 r90
  text "PPC NET" at 9878.99,9246.99 h50 r90
  text "V6 NET" at 8966.99,9242.99 h50 r90
  text "FTDI USB" at 11872,9166 h50 r90
  text "CPU_RDY" at 470,8630 h50 r90
  text "CPU_ERR" at 630,8630 h50 r90
  text "FAULT" at 790,8630 h50 r90
  text "POWER" at 948,8630 h50 r90
  text "USB OK" at 11845,8500 h60 r90
  text "FPGA" at 412.99,8492.99 h50
  text "0" at 442.99,8402.99 h60
  text "1" at 592.99,8402.99 h60
  text "2" at 752.99,8402.99 h60
  text "3" at 912.99,8402.99 h60
  text "RX0" at 9558.99,8388.99 h40
  text "RX1" at 9558.99,8308.99 h40
  text "RX2" at 9556.99,8228.99 h40
  text "RX3" at 9556.99,8148.99 h40
  text "7" at 442.99,8122.99 h60
  text "6" at 602.99,8122.99 h60
  text "5" at 762.99,8122.99 h60
  text "4" at 922.99,8122.99 h60
  text "SOFT RST" at 232,7842 h40
  text "HARD RST" at 611,7840 h40
  text "POWER" at 1052,7832 h40
  text "\RX" at 10390,7502 h60 r90
  text "2V5" at 10724.99,7500.99 h80
  text "\RX" at 9430,7490 h60 r90
  text "'1'" at 594,7460 h60
  text "'1'" at 1280,7460 h60
  text "L1000" at 10030,7430 h60 r90
  text "L100" at 10150,7430 h60 r90
  text "L10" at 10270,7430 h60 r90
  text "TX" at 10390,7430 h60 r90
  text "L1000" at 9060,7420 h60 r90
  text "L100" at 9190,7420 h60 r90
  text "L10" at 9310,7420 h60 r90
  text "TX" at 9430,7420 h60 r90
  text "7" at 678.99,7374.99 h60
  text "3" at 1358.99,7374.99 h60
  text "6" at 678.99,7278.99 h60
  text "2" at 1358.99,7274.99 h60
  text "5" at 678.99,7174.99 h60
  text "1" at 1358.99,7174.99 h60
  text "RS232" at 8805,7160 h50
  text "4" at 678.99,7074.99 h60
  text "0" at 1358.99,7074.99 h60
  text "CONFIG DIPs" at 286,6890 h50
  text "TX" at 9066.14,6822.99 h40 r90
  text "RX" at 9166.14,6822.99 h40 r90
  text "RTS" at 9266.14,6822.99 h40 r90
  text "CTS" at 9366.14,6822.99 h40 r90
  text "AUTO START" at 11965,6630 h59.06 r90
  text "JTAG" at 9672.19,6370 h50
  text "0" at 705,6319 h60
  text "HALT" at 9802.99,6262.99 h40 r90
  text "TMS" at 9902.99,6262.99 h40 r90
  text "TCK" at 10002.99,6262.99 h40 r90
  text "TDI" at 10202.99,6262.99 h40 r90
  text "TDO" at 10302.99,6262.99 h40 r90
  text "BOOT CONFIG" at 9129.92,6145.67 h59.06
  text "2" at 9234,6075 h40
  text "1" at 9285,6075 h40
  text "0" at 9330,6075 h40
  text "VREF" at 10100,5940 h40 r90
  text "TRST" at 10200,5940 h40 r90
  text "GND" at 9600,5890 h40
  text "1V8" at 10938.99,5800.99 h80 r90
  text "7" at 707,5615 h60
  text "12V" at 10174.99,5612.99 h80
  text "PPC TRACE" at 9472.99,5562.99 h50 r90
  text "FPGA GPIO/LEDs" at 182.99,5372.99 h50 r90
  text "5VAUX" at 9460,5370 h80
  text "DDR3 RDIMM" at 1302.99,5202.99 h50 r90
  text "POWER OUT" at 10618.11,5181.1 h50
  text "MGT MEZZANINE 1" at 1780,5050 h50
  text "MGT MEZZANINE 0" at 5460,5050 h50
  text "8" at 703,4962 h60
  text "PRDY" at 7056.99,4896.99 h40
  text "3V3AUX" at 10010,4790 h80 r90
  text "MGT_1V2" at 3882.99,4704.99 h59.06 r90
  text "MGT_1V0" at 4409.45,4649.61 h59.06 r90
  text "FPGA GPIO" at 180.99,4466 h50 r90
  text "15" at 701,4263 h60
  text "NCQ" at 2498,4239 h40
  text "ATX POWER" at 11442.99,4162.99 h50 r90
  text "CQ" at 2348,4154 h40
  text "QVLD" at 2020,4150 h40
  text "CQ" at 5767,4025 h40
  text "1V5" at 10204.99,3844.99 h80
  text "QDR 3" at 2504,3780 h50 r270
  text "DDR3_VTT" at 562.99,3685.04 h59.06
  text "QDR 0" at 5665,3679 h50 r90
  text "SYSCLK: 33.333 MHz" at 8728.99,3538.99 h45
  text "DDR2_VTT" at 10078.74,3381.89 h59.06 r90
  text "NCQ" at 5580,3364 h40
  text "QVLD" at 6410,3325 h40
  text "3V3" at 11106.99,3307.09 h80
  text "QDR01_VTT" at 5988.19,3263.78 h59.06
  text "XCS0" at 6460,3075 h40
  text "5V" at 11268.99,2808.99 h80
  text "0" at 602.98,2569.99 h60
  text "QDR23_VTT" at 1785,2570 h59.06
  text "PWR_OVERRIDE" at 11960,2550 h59.06 r90
  text "QDR 1" at 5672.75,2502.47 h50 r90
  text "PPC USB: 48 MHz" at 8785,2399 h45
  text "XD31" at 6562.99,2370.99 h40
  text "PD31" at 6740.99,2368.99 h40
  text "3" at 602.98,2269.99 h60
  text "PPC GPIO" at 244,2262 h50 r90
  text "1V0" at 10606.99,2224.99 h80
  text "XCLK" at 6461.06,2082.24 h40
  text "PCLK" at 6724.99,2080.99 h40
  text "NCQ" at 5866,2044 h40
  text "CQ" at 5620,2040 h40
  text "QVLD" at 6095,2035 h40
  text "3V3" at 670,1980 h40 r90
  text "SCL" at 670,1880 h40 r90
  text "FAN0" at 8662.99,1852.99 h50
  text "FAN1" at 9222.99,1852.99 h50
  text "FAN2" at 9782.99,1852.99 h50
  text "SDA" at 670,1780 h40 r90
  text "QDR 2" at 3393,1769 h50
  text "UC BERKELEY" at 4942.99,1732.99 h60
  text "FPGA FAN" at 5837,1725 h50
  text "PDO" at 670,1680 h40 r90
  text "BERKELEY CA USA" at 4942.99,1662.99 h60
  text "NCQ" at 2768,1615 h40
  text "C" at 640,1590 h40
  text "CQ" at 2876,1576 h40
  text "PPC IIC" at 240,1558 h50 r90
  text "D" at 640,1500 h40
  text "SYS_WPn" at 7284,1419 h59.06
  text "MEERKAT PROJECT" at 4942.99,1302.99 h60
  text "SYNC OUT" at 1878,1258 h50
  text "-" at 642.99,1232.99 h40
  text "CAPE TOWN, SOUTH AFRICA" at 4942.99,1232.99 h60
  text "QVLD" at 2831.61,1215 h40
  text "SD/MMC" at 9474,1176 h50
  text "+" at 642.99,1132.99 h40
  text "PPC" at 8005,1115 h60 r90
  text "AUX" at 8605,1110 h60 r90
  text "ERR" at 8052,1108 h60 r90
  text "CPU_RDY" at 722.99,1102.99 h40 r90
  text "PWR" at 8655,1100 h60 r90
  text "CPLD" at 8246,1096 h60 r90
  text "DONE" at 8445,1095 h60 r90
  text "RESET PB" at 252.99,1092.99 h40 r90
  text "-" at 642.99,1032.99 h40
  text "SERIAL NUMBER" at 6815,1005 h70
  text "-" at 262.99,932.99 h40
  text "Reconfigurable Open Architecture Computing Hardware" at 3492.99,922.99 h60
  text "ROACH-2  REV2 - May 2012" at 3712.99,862.99 h60
  text "+" at 262.99,832.99 h40
  text "+" at 642.99,832.99 h40
  text "CPU_ERR" at 253,831 h40 r90
  text "POWER LED" at 722.99,812.99 h40 r90
  text "SYNC IN" at 1634,764 h50
  text "AUX CLK" at 2156,764 h50
  text "-" at 262.99,732.99 h40
  text "ZDOK 1" at 2872.99,652.99 h50
  text "ZDOK 0" at 6402.99,642.99 h50
  text "+" at 262.99,632.99 h40
  text "FAULT LED" at 252.99,582.99 h40 r90
  text "POWER PB" at 722.99,572.99 h40 r90
  text "PANEL IO" at 291,460 h50
Bottom Overlay:
  lines w4: 2128.23,4111.77 2168.23,4071.77 2168.23,3871.77 ; 3440,1440 3640,1440 3680,1400 ; 5970,2180 6010,2220 6010,2420 ; 6005,3750 6005,3835 6030,3860 ; 1810,4110 1810,4570 2440,4570 2440,4110 1810,4110 ; 3680,1100 4060,1100 4060,1670 3680,1670 3680,1100 ; 5767,3860 5767,4340 6330,4340 6330,3860 5767,3860 ; 5770,1710 5770,2180 6340,2180 6340,1710 5770,1710

## Text inside footprints (layer, text, board x,y; h text height)
C32: Top Overlay "+" at 11232.99,887.99 h59.06 r270
LOGO1: Top Overlay "2" at 4422.99,997.99 h80